# Altium PCB FC7_V1.1_160929.PcbDoc
Units mm, origin at the board's own origin, x right, y up, seen from the top; angles counter-clockwise.
Board outline 152.4 x 101.6 mm, 2 copper layers (Top Layer, Bottom Layer); 2 components, 4 nets, 10 pads, 0 vias.
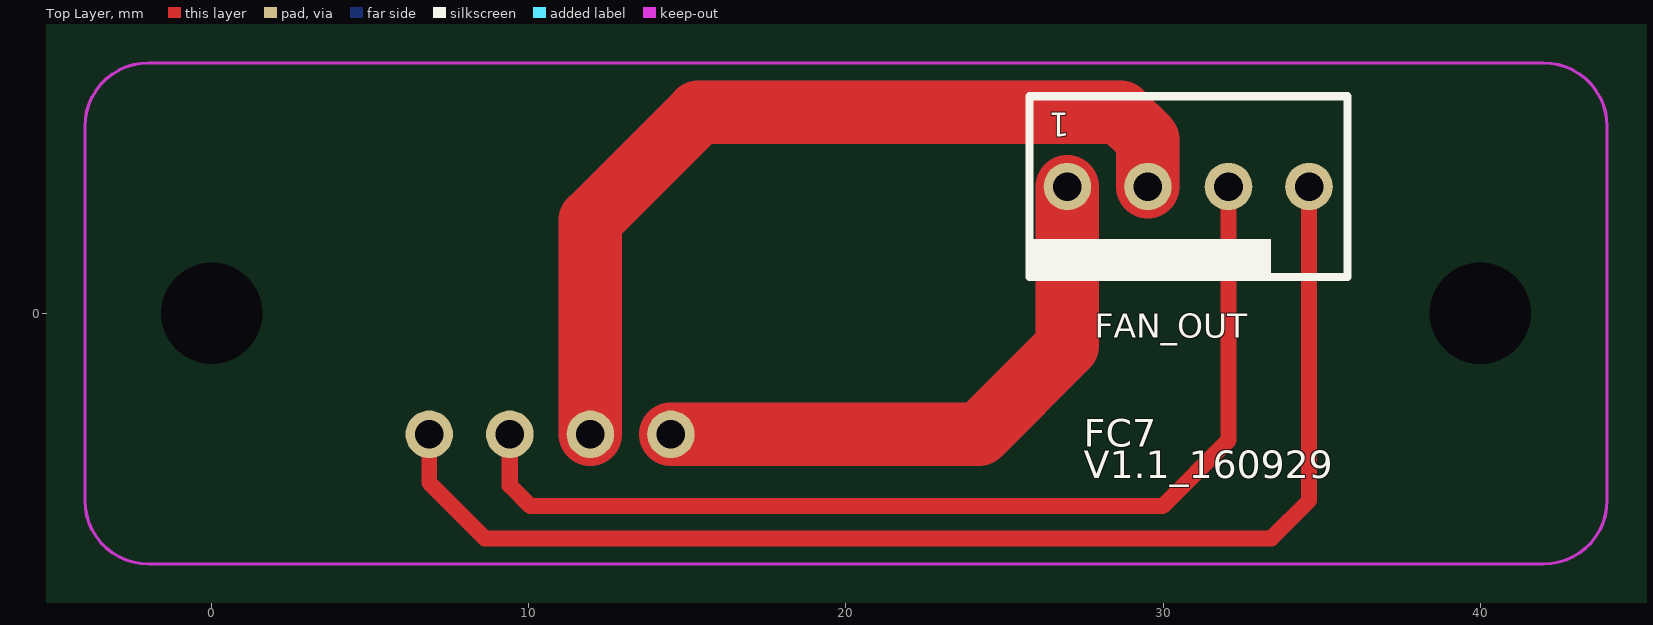
[diagram p0: Top Layer view]
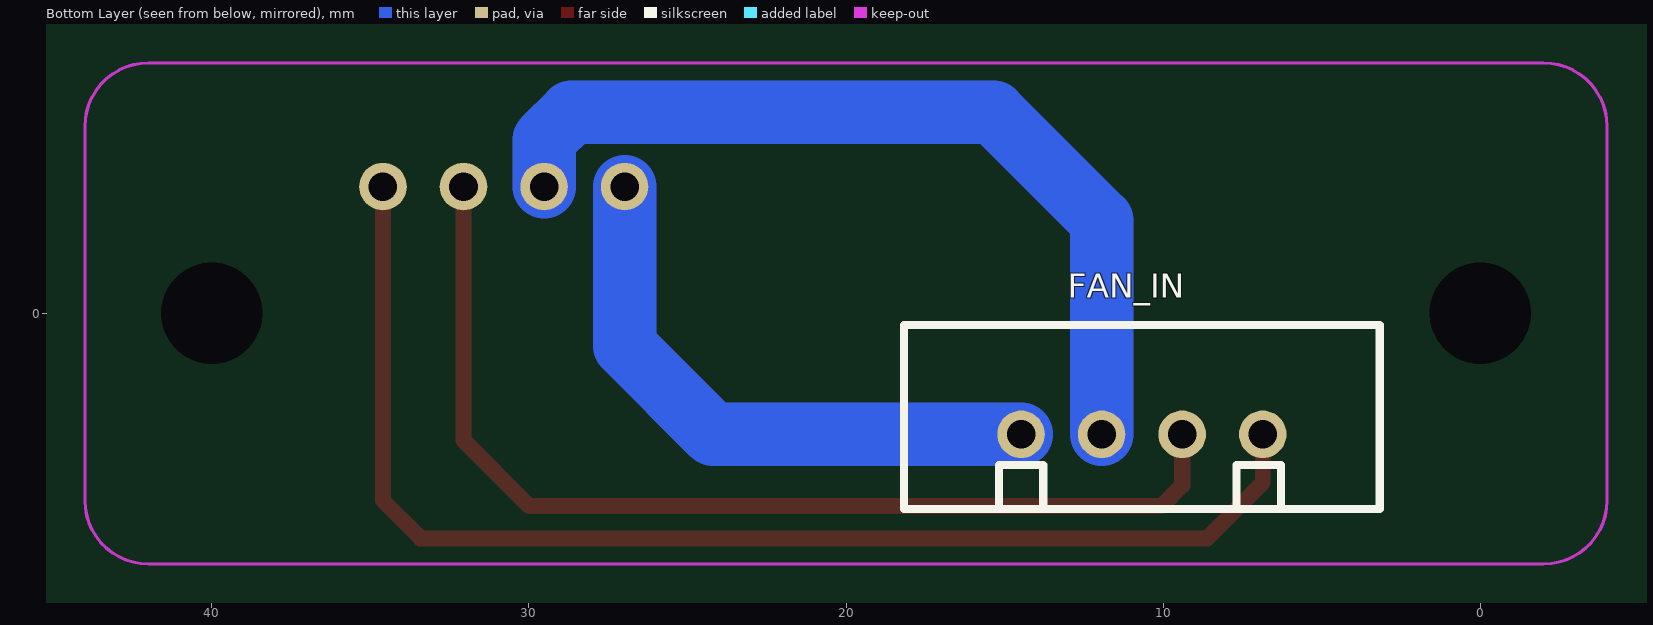
[diagram p1: Bottom Layer view, seen from below]

## Layer stack, top to bottom
Top Solder: solder mask 0.0102, Solder Resist, Dk 3.5
Top Layer: signal copper 0.0356
Dielectric 1: dielectric 0.32, FR-4, Dk 4.8
Bottom Layer: signal copper 0.0356
Bottom Solder: solder mask 0.0102, Solder Resist, Dk 3.5

## Board outline
-70.808,-72.676 81.592,-72.676 81.592,28.924 -70.808,28.924

## Design rules (kind name [scope] priority, off if disabled: settings)
Clearance [All] p1: gap=0.254
PolygonConnect PolygonConnect_1 [All] p1: connectstyle=Relief reliefconductorwidth=0.254 reliefentries=4 polygonreliefangle="90 Angle" airgapwidth=0.254
PolygonConnect [All] p2: connectstyle=Direct reliefconductorwidth=0.254 reliefentries=4 polygonreliefangle="90 Angle" airgapwidth=0.254
RoutingVias [All] p1: holewidth=0.711 width=1.27 viastyle="Through Hole" minholewidth=0.711 minwidth=1.27 maxholewidth=0.711 maxwidth=1.27
SolderMaskExpansion [All] p1: expansion=0.102
UnpouredPolygon [All] p1: allowunpoured=FALSE
Width [All] p1: maxlimit=2 minlimit=0.254 preferedwidth=0.508 minimp=50.000000 maximp=50.000000 favimp=50.000000
29 further rules are at their usual default settings.

## Components (designator, comment, footprint, x,y, rotation, side; value= is the part's Value field where it differs from the comment)
FAN_IN "CI224P1HK0" XH-4AW 10.668,-3.81 r180 bottom
FAN_OUT "A2543UV-4P-DL" FAN 30.792,4 r180 top

## Footprints (in the part's own frame and the unit in brackets; to place one, negate y for a bottom-side part, rotate by r counter-clockwise, add the part's x,y. Pads: shape width x height; smd on the part's side, far side on the other; paste and mask are expansions set on the pad)
FAN [mm]
  round 1.5 hole 0.9 paste+0.05 mask+0.05: 1(3.81,0) 2(1.27,0) 3(-1.27,0) 4(-3.81,0)
  silkscreen extent -5.03,-2.85 5,2.85
XH-4AW [mm]
  round 1.5 hole 0.9 paste+0.05 mask+0.05: 1(-3.81,0) 2(-1.27,0) 3(1.27,0) 4(3.81,0)
  silkscreen extent -7.5,-2.35 7.5,3.45

## Part data
FAN_IN FAN_OUT: library part "Header 4H", "Header, 4-Pin, Right Angle"

## Free pads (board coordinates)
  round 0 hole 3.2: 0(0,0) 0(40,0)

## Nets (pads, with @x,y where several pads share a name; then routed paths per layer and width w, separated by ;. In a path a pad name is that pad's centre, name@x,y a point inside that pad or via, vN(x,y) a via of type N, cw(c..) or ccw(c..) an arc to the next point about the centre after c; other vN are vias at no path point)
12V: FAN_IN.2 FAN_OUT.2 | length 55.2
  Top Layer w2: FAN_IN.2 11.938,2.938 15.341,6.341 28.659,6.341 29.522,5.478 FAN_OUT.2
  Bottom Layer w2: FAN_IN.2 11.938,2.938 15.341,6.341 28.659,6.341 29.522,5.478 FAN_OUT.2
FAN_FB: FAN_IN.3 FAN_OUT.3 | length 33.7
  Top Layer w0.508: FAN_IN.3 9.398,-5.423 10.05,-6.075 29.986,-6.075 32.062,-4 FAN_OUT.3@32.062,4.286
GND: FAN_IN.1 FAN_OUT.1 | length 37.4
  Top Layer w2: FAN_IN.1 24.19,-3.81 26.982,-1.018 FAN_OUT.1
  Bottom Layer w2: FAN_IN.1 24.19,-3.81 26.982,-1.018 FAN_OUT.1
PWM: FAN_IN.4 FAN_OUT.4 | length 40.7
  Top Layer w0.504: FAN_IN.4 6.858,-5.334 8.613,-7.089 33.411,-7.089 34.602,-5.898 FAN_OUT.4@34.602,4.286

## Keep-outs
Keep-Out Layer:
  lines w0.102: -4,-5.9 ccw(c-2,-5.9) -2,-7.9 42,-7.9 ccw(c42,-5.9) 44,-5.9 44,5.9 ccw(c42,5.9) 42,7.9 -2,7.9 ccw(c-2,5.9) -4,5.9 -4,-5.9

## Silkscreen, mask and mechanical layers (free items; w line width, h text height)
Top Overlay:
  text "FC7" at 27.5,-4.5 h1.5
  text "V1.1_160929" at 27.5,-5.5 h1.5

## Text inside footprints (layer, text, board x,y; h text height)
FAN_OUT: Top Overlay "1" at 27.058,6.337 h0.76 r180